# Altium PCB slave2020.PcbDoc (part 2 of 2)
Units mm, origin at the board's own origin, x right, y up, seen from the top; angles counter-clockwise.
Board outline 160 x 183 mm, 2 copper layers (Top, Bottom); 119 components, 63 nets, 329 pads, 13 vias.
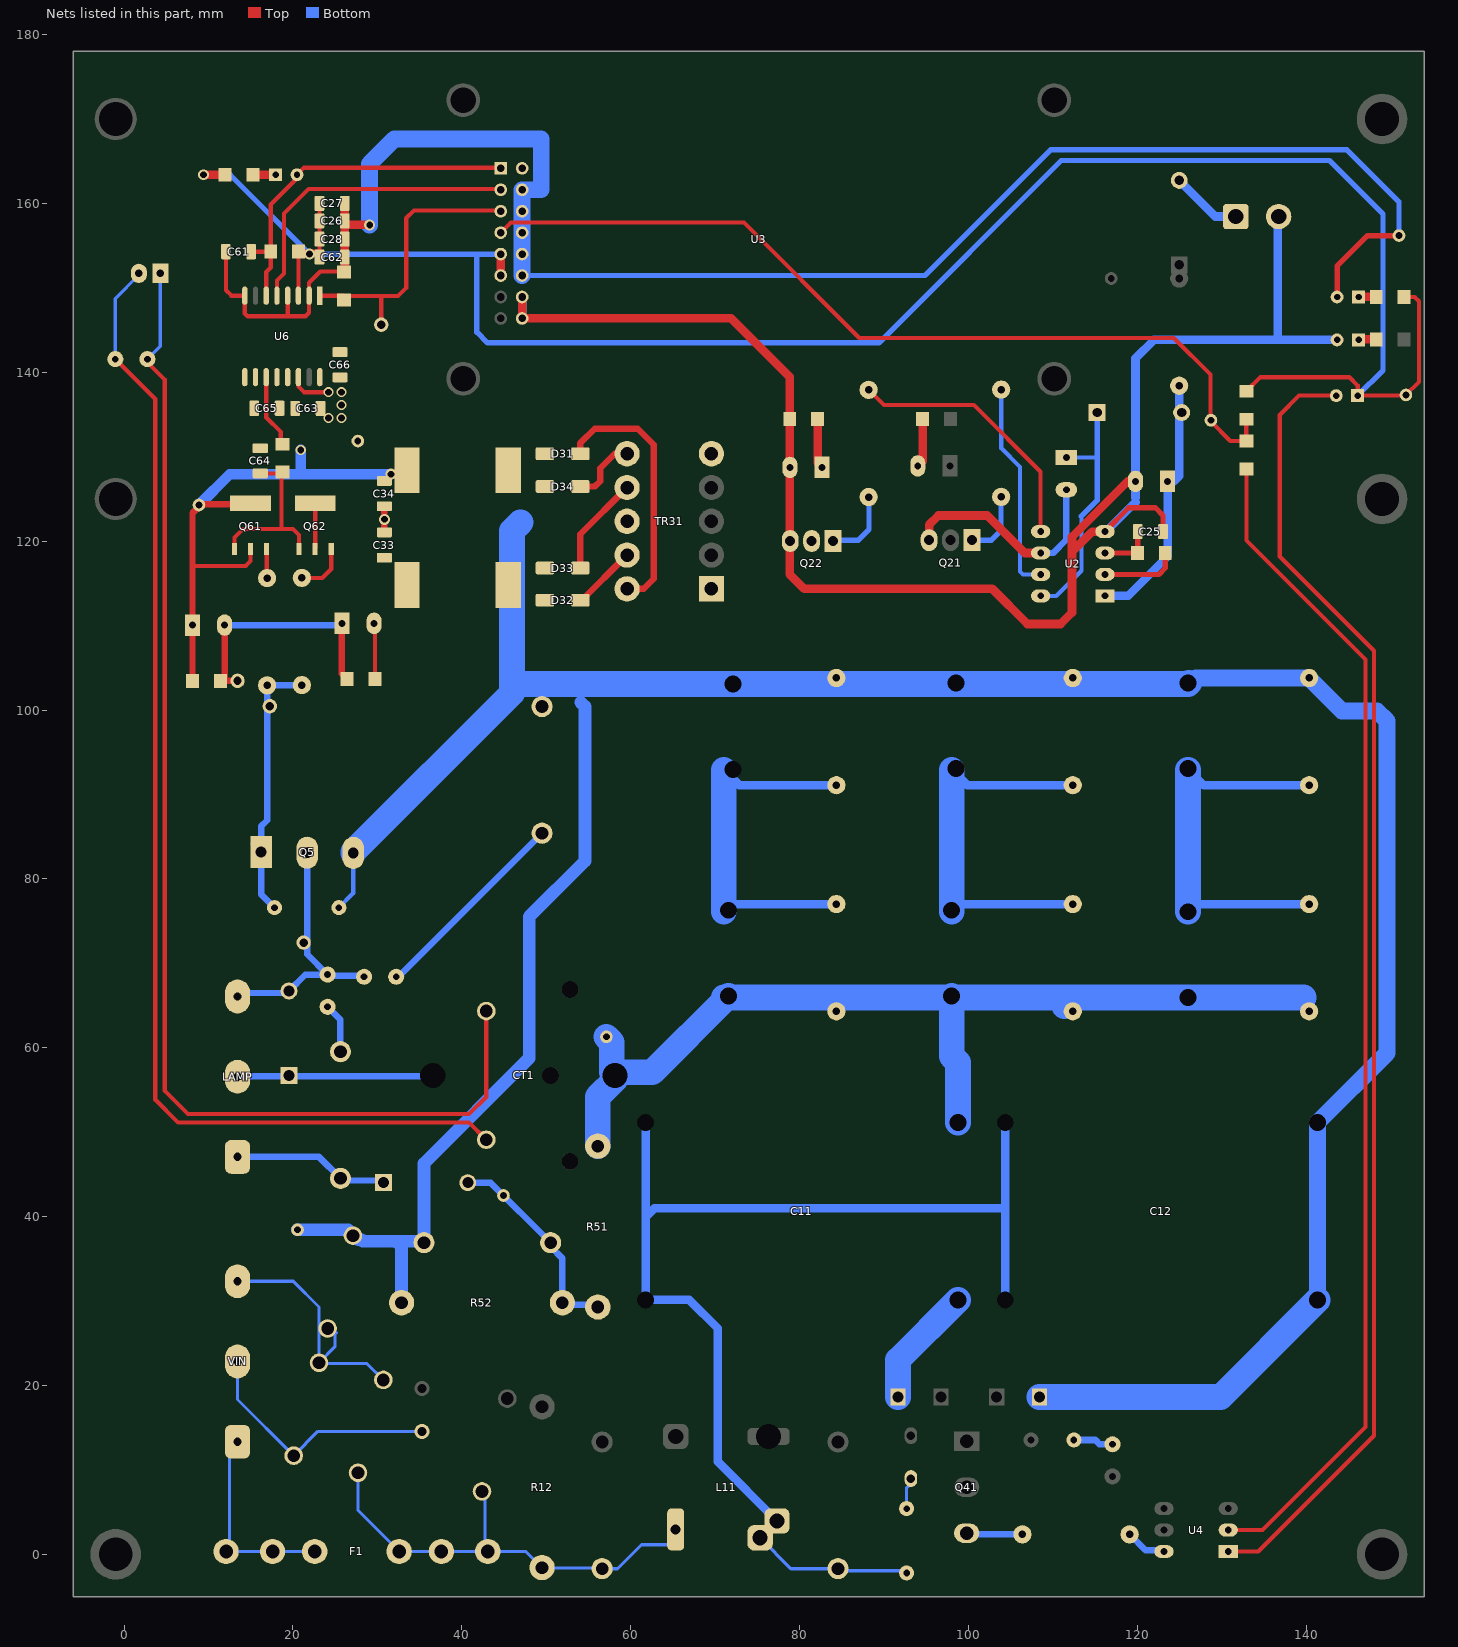
[diagram p2: the nets of this part, all layers, seen from the top]

## Via types
v1: diameter 1.2, hole 0.8, Top to Bottom, 7 vias
v2: diameter 1.3, hole 0.8, Top to Bottom, tented both sides, 6 vias

## Nets (pads, with @x,y where several pads share a name; then routed paths per layer and width w, separated by ;. In a path a pad name is that pad's centre, name@x,y a point inside that pad or via, vN(x,y) a via of type N, cw(c..) or ccw(c..) an arc to the next point about the centre after c; other vN are vias at no path point) (continued)
AC2: CX1.1 CY1.1 CY2.2 F1.2 L11.1 R12.1 | length 54.9
  Bottom w0.381: CY2.2@27.703,9.654 27.703,5.206 F1.2@32.575,0.334 F1.2@37.575,0.334 F1.2@43.075,0.334 ; CY1.1@42.387,7.446 42.731,7.102 42.731,0.678 F1.2@43.075,0.334 ; L11.1@65.327,2.954 65.327,1.93 64.541,1.144 61.275,1.144 58.432,-1.698 CX1.1@56.611,-1.698 56.547,-1.635 49.562,-1.635 R12.1@49.499,-1.571 47.594,0.334 F1.2@43.075,0.334
AC2_1: C11.1 C12.2 CX2.1 L11.2 R11.1 | length 139.7
  Bottom w0.381: L11.2@75.327,1.954 78.979,-1.698 CX2.1@84.551,-1.698 84.805,-1.952 92.425,-1.952 R11.1@92.679,-2.206
  Bottom w1.016: C11.1@61.775,51.134 61.775,39.958 ; L11.2@77.327,3.954 70.327,10.954 70.327,26.75 66.943,30.134 C11.1@61.775,30.134 61.775,39.958 ; C12.2@104.363,30.134 104.363,40.974 ; C12.2@104.363,51.134 104.363,40.974 ; 61.775,39.958 62.791,40.974 104.363,40.974
B: C64.2 Q61.1 Q62.1 R63.1 | length 20.6
  Top w0.5: Q61.1@13.075,119.089 13.075,120.425 14.091,121.441 20.01,121.441 20.721,120.73 Q62.1@20.721,119.089 ; C64.2@16.298,128.02 18.605,128.02 R63.1@18.633,128.048 ; R63.1@18.587,128.169 18.633,128.123 R63.1@18.633,128.048 ; 18.633,121.441 R63.1@18.633,128.048 ; R63.1@18.76,128.175 R63.1@18.633,128.048
BAX1: C24.2 Q21.3 Q22.2 TR31.1 U2.6 | length 27.1
  Top w1.016: Q21.3@95.341,120.122 95.341,121.941 96.442,123.041 102.234,123.041 106.677,118.598 U2.6@108.549,118.598
  Bottom w0.762: U2.6@108.549,118.598 110.041,118.598 111.597,120.154 C24.2@111.597,126.218
BAX2: C22.2 C23.1 R25.1 R26.2 TR31.5 | length 12
  Top w1: R26.2@82.133,134.446 82.133,129.269 C23.1@82.671,128.731 ; C22.2@94,128.909 94.579,129.488 R25.1@94.579,134.446
  Bottom w1: C23.1@82.451,128.948 C23.1@82.641,128.758
CT+: CT1.2 CT.1 R58.1 | length 148.5
  Top w0.5: R58.1@2.763,141.558 2.763,141.181 4.801,139.143 4.801,54.919 7.569,52.15 40.863,52.15 42.895,54.182 CT1.2@42.895,64.342
  Bottom w0.381: R58.1@2.763,141.558 4.287,143.082 CT.1@4.287,151.718
CT-: CT1.1 CT.2 R58.2 | length 142.2
  Top w0.5: R58.2@-1.047,141.558 3.683,136.828 3.683,53.852 6.401,51.134 40.863,51.134 CT1.1@42.895,49.102
  Bottom w0.381: R58.2@-1.047,141.558 -1.047,148.733 1.747,151.527 CT.2@1.747,151.718
EARTH: C56.1 CY2.1 CY3.1 VIN.3 | length 30.4
  Bottom w0.381: VIN.3@13.431,32.338 20.035,32.338 23.083,29.29 CY3.1@23.083,22.686 ; 25.115,26.242 24.967,26.094 24.967,24.57 CY3.1@23.083,22.686 ; CY2.1@30.703,20.654 28.759,22.598 23.171,22.598 CY3.1@23.083,22.686
EN: Q61.3 R64.2 | length 3.5
  Top w0.5: Q61.3@16.885,119.089 16.885,115.675 R64.2@16.936,115.625
EP: Q62.3 R65.2 | length 6.3
  Top w0.5: R65.2@21.051,115.65 23.464,115.65 24.531,116.717 Q62.3@24.531,119.089
FAULT: C61.2 LED1.2 R61.1 U3.1 U6.6 | length 42.2
  Top w0.5: C61.2@15.053,154.285 R61.1@17.363,154.285 ; U6.6@16.831,149.078 16.831,151.88 17.363,152.412 R61.1@17.363,154.285 ; U3.1@44.155,164.24 21.317,164.24 LED1.2@20.475,163.398 20.475,162.985 17.363,159.873 R61.1@17.363,154.285
GND: C26.1 C27.1 C28.1 C61.1 C62.1 GND.1 LED2.2 R62.1 U3.4 U3.6 U3.8 U3.10 U3.12 U6.2 U6.4 U6.8 | length 215.3
  Top w0.5: C61.1@12.053,154.285 12.053,152.196 12.053,149.722 12.697,149.078 U6.8@14.291,149.078 14.291,146.976 14.633,146.634 19.459,146.634 ; U6.4@19.371,149.078 19.371,146.722 19.459,146.634 ; R62.1@25.999,151.925 23.226,151.925 21.911,150.61 U6.2@21.911,149.078 21.911,147.054 21.491,146.634 19.459,146.634
  Top w0.635: LED2.2@143.665,148.92 143.665,152.566 147.289,156.19 v2(151,156.19)
  Top w1: R62.1@25.999,151.925 25.975,151.949 26.135,152.109 C62.1@26.135,153.65 C28.1@26.135,155.776 C26.1@26.135,157.936 C27.1@26.135,160
  Top w1.016: C26.1@26.135,157.936 26.612,157.46 v2(29.08,157.46)
  Bottom w0.635: U3.12@47.145,151.46 94.835,151.46 109.725,166.35 144.84,166.35 151,160.19 v2(151,156.19)
  Bottom w2: v2(29.08,157.46) 29.08,164.702 31.998,167.62 49.4,167.62 49.4,161.62 U3.4@47.145,161.62 U3.6@47.145,159.08 U3.8@47.145,156.54 U3.10@47.145,154 U3.12@47.145,151.46
GND24: C21.2 C23.2 C25.1 HD1.2 LED3.2 Q22.3 R26.1 U2.4 U3.14 U3.16 | length 195.3
  Top w0.635: U2.4@116.169,121.138 118.987,123.956 122.134,123.956 123.049,123.041 C25.1@123.049,121.138
  Top w1: U3.14@47.145,148.92 U3.16@47.145,146.38 71.91,146.38 78.831,139.459 R26.1@78.831,134.446 78.831,128.731 Q22.3@78.831,120.122
  Top w1.016: Q22.3@78.887,120.019 78.887,120.066 78.831,120.122 78.831,116.064 80.541,114.355 102.817,114.355 106.986,110.185 110.916,110.185 112.265,111.534 112.265,118.749 ; U2.4@116.169,121.138 114.654,121.138 112.265,118.749 ; C21.2@119.789,127.076 118.851,127.076 112.265,120.49 112.265,118.749
  Bottom w1: U3.16@47.145,146.38 U3.14@47.145,148.92 ; C23.2@78.831,128.758 C23.2@79.149,129.076
  Bottom w1.016: U2.4@116.169,121.138 116.303,121.138 119.789,124.624 ; 119.789,125.141 C21.2@119.789,127.076 119.789,141.665 121.964,143.84 136.805,143.84 ; HD1.2@136.655,158.24 136.655,143.99 136.805,143.84 ; LED3.2@143.665,143.84 136.805,143.84
HV_+600V: +600V.1 C11.2 CH1.1 CH2.1 CH3.1 CT1.4 D11.K R51.2 RH1.2 RH2.2 RH3.2 | length 131.5
  Bottom w3.048: R51.2@56.103,48.34 56.103,54.182 58.135,56.214 CT1.4@58.135,56.722 ; +600V.1@57.119,61.294 57.762,60.651 57.762,57.095 CT1.4@58.135,56.722 ; CH2.1@71.014,65.943 CH2.1@71.413,65.943 ; CH2.1@71.597,66.127 CH2.1@71.413,65.943 ; D11.K@91.663,18.622 91.663,23.022 C11.2@98.775,30.134 ; CH3.1@98.014,66.127 CH3.1@98.014,65.943 ; C11.2@98.775,51.134 98.775,58.25 98.014,59.011 CH3.1@98.014,65.943 ; 111.357,64.943 112.357,65.943 ; 139.714,65.943 CH1.1@126.014,65.943 112.357,65.943 ; CT1.4@58.135,56.722 58.508,57.095 62.565,57.095 CH2.1@71.413,65.943 ; CH2.1@71.413,65.943 CH3.1@98.014,65.943 ; CH3.1@98.014,65.943 112.357,65.943
HV_GND: C12.1 C31.2 C32.1 C33.2 C34.1 C51.1 C55.1 C56.2 C63.2 C66.2 CL1.2 CL2.2 CL3.2 D12.A HV_GND.1 Q5.3 R31.2 R32.1 R52.1 R54.1 RL1.1 RL2.1 RL3.1 TPE.1 TR31.8 U6.14 U6.16 | length 403.3
  Top w0.508: U6.14@20.641,139.426 20.641,138.307 21.3,137.648 v1(24.221,137.648)
  Top w0.762: C31.2@11.907,110.062 11.907,103.458 TPE.1@13.431,103.458 ; C32.1@25.801,110.265 25.801,104.299 R32.1@26.403,103.697 ; C33.2@30.825,121.035 v2(30.825,122.584) C34.1@30.825,124.132
  Bottom w0.381: CL1.2@126.014,103.211 126.306,103.503 CL1.2@126.422,103.503
  Bottom w0.5: R54.1@25.43,76.594 27.144,78.308 Q5.3@27.144,83.07
  Bottom w0.762: C31.2@11.907,110.062 25.598,110.062 C32.1@25.801,110.265
  Bottom w1.5: HV_GND.1@20.543,38.434 26.534,38.434 27.726,37.242 28.115,37.242 28.281,37.076 32.227,37.076 ; R52.1@32.862,29.798 32.862,36.441 32.227,37.076 ; 54.071,100.918 54.579,100.41 54.579,82.122 47.975,75.518 47.975,58.754 35.515,46.294 C51.1@35.515,36.91 35.349,37.076 32.227,37.076
  Bottom w2: CL1.2@126.014,103.211 126.13,103.211 126.338,103.211 126.922,103.795 RL1.1@140.357,103.795 144.25,99.902 148.403,99.902 149.575,98.73 149.575,59.346 C12.1@141.363,51.134 C12.1@141.363,30.134
  Bottom w3.048: Q5.3@27.144,83.07 27.144,83.197 45.943,101.996 45.943,103.458 ; 46.959,122.254 45.943,121.238 45.943,103.458 ; D12.A@108.427,18.622 129.851,18.622 C12.1@141.363,30.134 ; CL1.2@126.13,103.211 126.014,103.095 CL2.2@72.105,103.095 46.306,103.095 45.943,103.458
  other v1: 24.221,134.6 25.745,134.6 25.745,136.124 25.745,137.648
IGBT_C: D53.A LAMP.3 Q5.2 R53.1 R55.2 TPC.1 | length 31.6
  Bottom w0.762: LAMP.3@13.431,66.07 13.846,66.485 19.29,66.485 D53.A@19.527,66.722 21.465,68.66 R53.1@24.099,68.66 ; Q5.2@21.683,83.095 21.683,71.076 R53.1@24.099,68.66 ; R55.2@28.417,68.406 28.29,68.533 24.226,68.533 R53.1@24.099,68.66
IGBT_G: Q5.1 R54.2 R64.1 R65.1 TPG.1 | length 32.7
  Bottom w0.762: Q5.1@15.333,84.154 Q5.1@16.222,83.265 ; R54.2@17.81,76.594 16.222,78.182 Q5.1@16.222,83.197 Q5.1@16.222,83.265 ; R65.1@21.051,102.95 21.038,102.937 16.949,102.937 R64.1@16.936,102.925 16.936,86.959 16.222,86.245 Q5.1@16.222,83.265
L: CY3.2 NTC1.1 VIN.2 | length 30.3
  Bottom w0.381: VIN.2@13.431,22.838 13.431,18.338 CY3.2@20.083,11.686 22.955,14.558 NTC1.1@35.275,14.558
"Lamp ANODE": CT1.3 D53.K LAMP.2 | length 23.2
  Bottom w0.762: LAMP.2@13.431,56.57 13.507,56.646 19.527,56.646 36.469,56.646 CT1.3@36.545,56.722
Lamp_Trigger: C52.2 D52.K LAMP.1 | length 18.5
  Bottom w0.762: LAMP.1@13.431,47.07 23.083,47.07 C52.2@25.623,44.53 25.877,44.276 30.449,44.276 D52.K@30.703,44.022
N: F1.1 VIN.1 | length 24.1
  Bottom w0.381: VIN.1@13.431,13.338 12.473,12.38 12.473,0.732 F1.1@12.075,0.334 F1.1@17.575,0.334 F1.1@22.575,0.334
NetC21_1: C21.1 D22.A R21.2 U2.1 | length 30.9
  Bottom w1: U2.1@116.169,113.518 118.916,113.518 123.599,118.201 C21.1@123.599,126.355 ; C21.1@123.599,127.076 C21.1@123.599,126.355 ; R21.2@124.965,138.41 124.965,127.721 C21.1@123.599,126.355
NetC24_1: C24.1 D22.K U2.8 | length 29.2
  Bottom w0.5: U2.8@108.549,113.518 110.41,113.518 113.38,116.488 113.38,122.965 ; C24.1@111.602,129.899 115.25,129.899
  Bottom w0.635: 113.38,122.965 115.25,124.836 115.25,129.899 D22.K@115.25,135.233
NetC25_2: C25.2 R22.1 U2.3 | length 6.4
  Top w0.635: U2.3@116.169,118.598 R22.1@120.009,118.598 120.049,118.638 C25.2@120.049,121.138
NetC41_2: C41.2 R44.1 | length 4.8
  Bottom w0.8: C41.2@112.491,13.542 115.031,13.542 115.539,13.034 R44.1@117.063,13.034
NetC52_1: C52.1 R53.2 | length 6
  Bottom w0.762: R53.2@24.099,64.85 25.623,63.326 C52.1@25.623,59.53
NetC55_2: C55.2 R55.1 | length 24.3
  Bottom w0.762: R55.1@32.227,68.406 32.495,68.406 C55.2@49.499,85.41
NetCH1_2: CH1.2 CL1.1 RH1.1 RL1.2 | length 46.7
  Bottom w1.016: CH1.2@126.014,76.103 126.926,77.015 RH1.1@140.357,77.015 ; CL1.1@126.014,92.935 127.854,91.095 RL1.2@140.357,91.095
  Bottom w3.048: CH1.2@126.014,76.103 CL1.1@126.014,92.935
NetCH2_2: CH2.2 CL2.1 RH2.1 RL2.2 | length 44.7
  Bottom w1.016: CH2.2@71.014,76.103 71.926,77.015 RH2.1@84.357,77.015 ; CL2.1@71.014,92.935 72.854,91.095 RL2.2@84.357,91.095
  Bottom w3.048: CH2.2@71.014,76.103 CL2.1@71.014,92.935
NetCH3_2: CH3.2 CL3.1 RH3.1 RL3.2 | length 46.7
  Bottom w1.016: CH3.2@98.014,76.103 98.926,77.015 RH3.1@112.357,77.015 ; CL3.1@98.014,92.935 99.854,91.095 RL3.2@112.357,91.095
  Bottom w3.048: CH3.2@98.014,76.103 CL3.1@98.014,92.935
NetD21_A: D21.A HD1.1 | length 8.5
  Bottom w1.016: D21.A@124.965,162.73 129.246,158.449 HD1.1@131.668,158.449
NetD31_1: D31.1 TR31.10 | length 31
  Top w0.762: D31.1@54.04,130.355 54.04,131.62 55.75,133.33 60.83,133.33 62.735,131.425 62.735,115.55 61.54,114.355 TR31.10@59.565,114.355
NetD31_2: D31.2 D34.2 L31.1
NetD32_1: D32.1 D33.1 L32.1
NetD32_2: D32.2 TR31.9 | length 7.9
  Top w0.762: D32.2@54.04,112.706 54.04,112.83 TR31.9@59.565,118.355
NetD33_2: D33.2 TR31.7 | length 11.3
  Top w0.762: D33.2@54.04,117.363 54.04,120.83 TR31.7@59.565,126.355
NetD34_1: D34.1 TR31.6 | length 8
  Top w0.762: D34.1@54.04,126.472 55.75,126.472 56.385,127.107 56.385,128.631 58.109,130.355 TR31.6@59.565,130.355
NetLED1_1: LED1.1 R27.2 | length 2.7
  Top w1: R27.2@15.268,163.398 LED1.1@17.935,163.398
NetLED2_1: LED2.1 R28.2 | length 2.1
  Top w1: LED2.1@146.205,148.92 146.21,148.924 R28.2@148.305,148.924
NetLED3_1: LED3.1 R29.2 | length 2
  Top w1: LED3.1@146.26,143.895 R29.2@148.305,143.895
NetLED41_2: LED41.2 U4.1 | length 156.1
  Top w0.5: U4.1@130.779,0.334 134.335,0.334 148.051,14.05 148.051,107.014 136.875,118.19 136.875,134.954 139.157,137.236 LED41.2@143.564,137.236
NetNE1_1: NE1.1 R11.2 | length 3.8
  Bottom w0.381: R11.2@92.679,5.414 92.679,7.909 93.187,8.417 NE1.1@93.187,8.97
NetQ21_1: Q21.1 R23.1 | length 8
  Bottom w0.635: Q21.1@100.421,120.122 102.707,120.122 103.85,121.265 R23.1@103.85,125.329
NetQ22_1: Q22.1 R24.1 | length 8.7
  Bottom w0.635: Q22.1@83.911,120.122 86.959,120.122 88.229,121.392 R24.1@88.229,125.202
NetQ41_3: Q41.3 R43.1 | length 6.7
  Bottom w0.762: Q41.3@99.791,2.504 99.929,2.366 R43.1@106.395,2.366
NetR22_2: R22.2 U2.2 | length 9.2
  Top w0.635: U2.2@116.169,116.058 122.554,116.058 123.311,116.815 R22.2@123.311,118.598
NetR23_2: R23.2 U2.7 | length 25
  Bottom w0.5: R23.2@103.88,137.951 103.88,131.017 106.116,128.782 106.116,116.412 106.47,116.058 U2.7@108.549,116.058
NetR24_2: R24.2 U2.5 | length 31.5
  Top w0.5: R24.2@88.183,137.926 89.985,136.124 100.643,136.124 108.549,128.218 U2.5@108.549,121.138
NetR41_2: R41.2 U4.2 | length 140.6
  Top w0.5: U4.2@130.779,2.874 134.843,2.874 147.035,15.066 147.035,105.998 132.933,120.1 R41.2@132.933,128.552
NetR43_2: R43.2 U4.6 | length 4.9
  Bottom w0.762: R43.2@119.095,2.366 120.981,0.48 123.013,0.48 U4.6@123.159,0.334
NetR63_2: R63.2 U6.11 | length 8
  Top w0.5: U6.11@16.831,139.426 16.831,134.652 18.562,132.922 R63.2@18.562,132.096
PWM1: R62.2 TP1.1 U3.5 U6.1 | length 33.4
  Top w0.5: U6.1@23.181,149.078 25.946,149.078 25.999,149.025 30.455,149.025 ; TP1.1@30.455,145.64 30.455,149.025 ; U3.5@44.155,159.16 34.325,159.16 33.405,158.24 33.405,149.99 32.44,149.025 30.455,149.025
RESET: U3.3 U6.5 | length 36.5
  Top w0.5: U6.5@18.101,149.078 18.101,150.864 18.951,151.714 18.951,158.794 21.857,161.7 U3.3@44.155,161.7
TRIAC: R41.1 R42.1 TRIAC.1 U3.7 | length 105.4
  Top w0.5: U3.7@44.605,156.54 45.805,157.74 73.405,157.74 87.077,144.068 124.327,144.068 128.655,139.74 128.655,134.212 131.013,131.854 R41.1@132.933,131.854 ; R41.1@132.913,131.875 R42.1@132.913,134.446
V_CAP_TRIG: +300V.1 C51.2 D52.A R51.1 R52.2 | length 25.2
  Bottom w0.762: D52.A@40.703,44.357 D52.A@40.703,44.022 43.403,44.022 C51.2@50.515,36.91 50.515,36.44 51.912,35.043 R52.2@51.912,29.798 52.166,29.544 55.849,29.544 R51.1@56.103,29.29
VCC: +5V.1 C26.2 C27.2 C28.2 C62.2 LED41.1 R27.1 R28.1 R42.2 R61.2 U3.9 U3.11 U6.3 | length 247
  Top w0.5: U6.3@20.641,149.078 20.665,149.102 R61.2@20.665,154.285 C62.2@22.975,154.285 ; C62.2@23.135,153.65 C28.2@23.135,155.776 C26.2@23.135,157.936 C27.2@23.135,160 ; R42.2@132.913,137.748 134.59,139.426 145.099,139.426 146.104,138.421 LED41.1@146.104,137.236 151.73,137.236 153.36,138.866 153.36,148.416 152.852,148.924 R28.1@151.607,148.924
  Top w1: v2(9.395,163.398) R27.1@11.966,163.398 ; U3.11@44.605,151.46 U3.9@44.605,154
  Bottom w0.635: v2(9.395,163.398) 12.552,163.398 v2(21.95,154) 41.78,154 ; U3.11@44.605,151.46 U3.9@44.605,154 41.78,154 ; LED41.1@146.104,137.236 149.095,140.227 149.095,158.73 142.745,165.08 110.995,165.08 89.405,143.49 43.05,143.49 41.78,144.76 41.78,154
VCC1: +15V.1 C31.1 C34.2 C63.1 C65.2 L31.2 Q61.2 R31.1 U6.12 U6.13 | length 63
  Top w0.5: 8.097,117.072 14.396,117.072 14.98,117.657 Q61.2@14.98,119.089
  Top w0.762: R31.1@8.097,103.458 C31.1@8.097,110.062 8.097,117.072 8.097,123.324 8.859,124.086 +15V.1@8.859,124.286 8.961,124.388 14.879,124.388 Q61.2@14.98,124.489
  Bottom w1.27: +15V.1@8.859,124.286 12.5,127.927 20.919,127.927 ; v1(20.919,130.79) 20.919,127.927 ; v2(31.62,127.927) 20.919,127.927
VEE1: -5V.1 C32.2 C33.1 C64.1 C65.1 C66.1 L32.2 Q62.2 R32.2 U6.9 U6.10 | length 11.1
  Top w0.5: Q62.2@22.626,119.089 22.626,123.582 ; C32.2@29.611,110.265 29.705,110.171 R32.2@29.705,103.697
ZCO: U3.2
pads on no net: C25.0 C26.0 C27.0 C28.0 C33.0 C34.0 C61.0 C62.0 C63.0 C64.0 C65.0 C66.0 CT1.H D31.0 D32.0 D33.0 D34.0 Q21.HS Q22.HS R12.0 R51.0 R52.0 TR31.2 TR31.3 TR31.4 U3.0 U4.3 U4.5 U6.7 U6.15

## Polygon pours and split planes (outlines as drawn)
no net on Bottom "NONET_L02_P000" (solid, remove dead copper, pour order 0): -117.746,134.776

## Keep-outs
Keep-Out Layer:
  lines w0.2: 18.796,79.103 ccw(c19.177,79.103) 19.177,78.722 19.304,78.722 ccw(c19.304,79.103) 19.685,79.103 19.685,94.089 ccw(c19.304,94.089) 19.304,94.47 ccw(c19.304,93.962) 18.796,93.962 18.796,79.103 ; 23.876,78.722 ccw(c24.384,78.722) 24.384,78.214 ccw(c24.384,78.722) 24.892,78.722 24.892,93.962 ccw(c24.384,93.962) 24.384,94.47 ccw(c24.384,93.962) 23.876,93.962 23.876,78.722
  lines w0.254: -6,-5 154,-5 154,178 -6,178 -6,-5

## Other copper
Top:
  region net VEE1: 20.157,125.202 20.157,123.932 28.031,123.932 28.031,125.202
  region net NetD32_1: 46.891,117.489 46.891,112.126 50.701,112.126 50.701,117.489
  region net NetD31_2: 46.011,131.02 46.011,125.831 50.67,125.831 50.67,131.02
  region net HV_GND: 26.507,139.426 26.507,133.838 cw(c25.999,133.838) 25.999,133.33 23.713,133.33 cw(c23.713,133.838) 23.205,133.838 23.205,139.172 cw(c23.713,139.172) 23.713,139.68 26.253,139.68 cw(c26.253,139.426)
  region net VEE1: 27.269,126.472 27.269,126.218 cw(c26.253,126.218) 26.253,125.202 26.253,123.678 28.031,123.678 28.031,126.472
  region net VEE1: 31.075,108.941 cw(c29.555,108.941) 29.555,107.422 cw(c29.555,108.692) 28.285,108.692 28.285,111.232 ccw(c27.015,111.232) 27.015,112.502 cw(c27.015,113.772) 25.745,113.772 25.745,122.916 ccw(c24.983,122.916) 24.983,123.678 20.411,123.678 cw(c20.411,123.932) 20.157,123.932 20.157,124.948 cw(c20.411,124.948) 20.411,125.202 27.523,125.202 cw(c27.523,124.694) 28.031,124.694 28.031,119.352 ccw(c29.555,119.352) 29.555,117.828 cw(c29.555,116.309) 31.075,116.309
  region net VCC1: 19.649,140.188 ccw(c19.395,140.188) 19.395,140.442 18.125,140.442 ccw(c18.125,140.188) 17.871,140.188 17.871,135.108 ccw(c18.125,135.108) 18.125,134.854 19.649,134.854 cw(c19.649,134.6) 19.903,134.6 19.903,128.504 ccw(c20.157,128.504) 20.157,128.25 21.681,128.25 ccw(c21.681,128.504) 21.935,128.504 21.935,131.552 ccw(c21.681,131.552) 21.681,131.806 20.919,131.806 cw(c20.919,132.06) 20.665,132.06 20.665,136.378 ccw(c20.411,136.378) 20.411,136.632 19.903,136.632 cw(c19.903,136.886) 19.649,136.886 19.649,140.188 ccw(c19.395,140.188) 19.395,140.442
  region net VEE1: 32.349,117.836 29.555,117.836 cw(c29.555,119.36) 28.031,119.36 28.031,142.474 ccw(c27.523,142.474) 27.523,142.982 14.569,142.982 ccw(c14.569,142.474) 14.061,142.474 14.061,130.79 ccw(c14.315,130.79) 14.315,130.536 16.601,130.536 ccw(c16.601,130.79) 16.855,130.79 16.855,131.298 ccw(c16.601,131.298) 16.601,131.552 16.093,131.552 cw(c16.093,131.806) 15.839,131.806 15.839,141.458 cw(c16.347,141.458) 16.347,141.966 27.015,141.966 cw(c27.015,141.712) 27.269,141.712 27.269,114.28 ccw(c28.793,114.28) 28.793,112.756 32.349,112.756
  region net VEE1: 36.667,117.836 30.825,117.836 ccw(c30.825,115.296) 28.285,115.296 28.285,109.454 ccw(c29.555,109.454) 29.555,108.184 30.063,108.184 ccw(c30.063,109.2) 31.079,109.2 31.079,111.74 cw(c32.095,111.74) 32.095,112.756 36.667,112.756
Bottom:
  region net BAX2: 89.372,130.028 82.133,130.028 ccw(c82.133,129.647) 81.752,129.647 81.752,128.053 cw(c80.165,128.053) 80.165,126.466 ccw(c80.165,126.339) 80.038,126.339 80.038,124.688 83.488,124.688 ccw(c83.488,127.228) 85.284,125.432 86.596,126.744 cw(c88.393,124.948) 88.393,127.488 89.372,127.488
  region net BAX2: 67.909,130.282 ccw(c69.433,130.282) 69.433,128.758 70.413,128.758 cw(c70.413,126.218) 72.209,128.014 74.785,125.438 ccw(c76.582,127.234) 76.582,124.694 83.494,124.694 ccw(c83.494,127.234) 85.29,125.438 86.596,126.744 cw(c88.393,124.948) 88.393,127.488 94.071,127.488 ccw(c94.071,128.377) 94.96,128.377 94.96,129.139 ccw(c94.071,129.139) 94.071,130.028 88.52,130.028 ccw(c88.52,127.488) 86.723,129.284 84.655,127.216 cw(c82.859,129.012) 82.859,126.472 77.471,126.472 cw(c77.471,129.012) 75.674,127.216 71.828,131.062 ccw(c70.032,129.266) 70.032,131.806 69.306,131.806 ccw(c69.306,130.409) 67.909,130.409
  region net BAX1: 67.909,115.804 79.974,115.804 ccw(c79.974,116.312) 80.482,116.312 80.482,120.503 cw(c81.371,120.503) 81.371,121.392 cw(c81.371,120.376) 82.387,120.376 82.387,116.312 ccw(c82.895,116.312) 82.895,115.804 92.674,115.804 ccw(c92.674,117.455) 94.325,117.455 94.325,120.376 cw(c95.341,120.376) 95.341,121.392 cw(c95.341,120.376) 96.357,120.376 96.357,114.153 cw(c95.087,114.153) 95.087,112.883 67.909,112.883
  region net HV_GND: 30.847,119.365 35.148,119.365 ccw(c35.148,120.122) 35.905,120.122 cw(c36.413,120.122) 36.413,120.63 36.667,120.63 36.667,123.932 36.413,123.932 cw(c36.413,124.44) 35.905,124.44 35.905,137.14 ccw(c33.365,137.14) 33.365,139.68 23.459,139.68 ccw(c23.459,139.426) 23.205,139.426 23.205,133.584 ccw(c23.459,133.584) 23.459,133.33 32.603,133.33 cw(c32.603,132.06) 33.873,132.06 33.873,126.367 cw(c32.629,126.367) 32.629,125.123 30.887,125.123 cw(c30.887,125.206) 30.804,125.206
  region net HV_GND: 59.527,123.932 cw(c59.527,122.408) 61.051,122.408 61.051,122.154 cw(c59.527,122.154) 59.527,120.63 35.18,120.63 ccw(c35.18,118.09) 33.383,119.886 33.365,119.868 cw(c32.139,121.094) 32.139,119.36 29.555,119.36 ccw(c29.555,117.302) 27.497,117.302 27.497,110.19 cw(c25.745,110.19) 25.745,108.438 cw(c25.745,109.962) 24.221,109.962 24.221,119.578 cw(c26.761,119.578) 24.965,121.374 28.285,124.694 cw(c29.512,123.467) 29.512,125.202 32.095,125.202 cw(c32.095,123.362) 33.396,124.663 33.619,124.44 ccw(c34.846,125.666) 34.846,123.932
  region net AC1_2: 98.775,11.51 104.871,11.51 104.871,20.146 103.855,21.162 96.235,21.162 95.219,20.146 95.219,15.066
  region net IGBT_C: 11.399,72.47 20.035,72.47 20.035,85.678 23.591,85.678 23.591,70.946 24.099,70.438 29.179,70.438 29.179,66.882 28.671,66.374 21.559,66.374 18.511,63.326 11.399,63.326
  region net HV_GND: 18.511,39.958 37.815,39.958 37.815,27.766 37.307,27.258 28.671,27.258 18.511,37.418
  region net V_CAP_TRIG: 39.847,45.546 43.911,45.546 58.135,31.322 58.135,27.258 52.039,27.258 39.847,39.45
  region net Lamp_Trigger: 31.719,42.498 11.399,42.498 11.399,50.626 31.719,50.626
  region net "Lamp ANODE": 39.339,59.262 39.339,53.674 11.399,53.674 11.399,59.262 21.559,59.262 23.591,57.23 28.163,57.23 30.195,59.262
  region net HV_+600V: 142.463,68.914 58.135,68.914 56.103,66.882 56.103,53.674 63.723,53.674 71.851,61.802 142.463,61.802
  region net HV_+600V: 123.667,65.866 123.667,30.306 120.619,27.258 97.251,27.258 94.711,24.718 125.699,24.718 129.763,28.782 129.763,65.866
  region net HV_GND: 106.903,16.082 140.939,16.082 147.035,22.178 147.035,52.658 151.607,57.23 151.607,101.934 147.035,106.506 44.927,106.506 25.623,87.202 25.623,75.518 26.131,75.518 48.991,98.378 142.463,98.378 146.019,94.822 146.019,61.294 136.875,52.15 136.875,28.274 131.287,22.686 106.903,22.686
  region net AC2_1: 106.395,52.658 106.395,28.782 101.823,28.782 101.823,38.434 68.295,38.434 68.295,37.418 68.295,31.322 59.659,31.322 59.659,48.594 63.723,52.658 66.771,52.658 67.279,52.15 67.279,43.514 68.803,41.99 101.823,41.99 101.823,52.658
  region net AC1_1: 75.407,11.51 94.711,11.51 99.791,6.43 101.823,6.43 102.331,6.938 102.331,8.97 101.315,9.986 98.267,9.986 93.187,15.066 73.375,15.066 73.375,13.034
  region net AC2_1: 94.203,-2.206 93.187,-3.222 73.883,-3.222 72.867,-2.206 72.867,6.43 69.311,9.986 69.311,25.734 61.183,25.734 59.659,27.258 59.659,32.338 68.295,32.338 71.343,29.29 71.343,12.018 76.931,6.43 82.519,6.43 89.123,-0.174 94.203,-0.174
  region net AC1: 34.259,18.622 43.403,18.622 50.515,11.51 67.279,11.51 67.279,16.082 53.563,16.082 45.435,24.21 40.355,24.21 37.307,21.162 34.259,21.162
  region net EARTH: 31.719,19.13 21.559,19.13 20.543,20.146 20.543,28.274 20.035,28.782 11.399,28.782 11.399,34.878 18.511,34.878 31.719,21.67
  region net L: 11.399,25.226 17.495,25.226 18.003,24.718 18.003,16.082 18.511,15.574 36.799,15.574 37.307,15.066 37.307,12.526 23.591,12.526 20.543,9.478 19.019,9.478 18.511,9.986 18.511,13.034 11.399,20.146
  region net N: 7.843,15.066 14.955,15.066 15.971,14.05 15.971,4.906 23.083,4.906 24.607,3.382 24.607,-4.238 7.843,-4.238
  region net AC2: 26.639,11.002 29.179,11.002 29.179,5.922 32.735,2.366 39.339,2.366 40.355,3.382 40.355,8.97 43.911,8.97 43.911,2.366 44.419,1.858 62.199,1.858 63.215,2.874 63.215,5.922 63.723,6.43 67.279,6.43 68.295,5.414 68.295,-4.238 31.211,-4.238 26.639,0.334

## Silkscreen, mask and mechanical layers (free items; w line width, h text height)
Top Overlay:
  circle w0.254: c74.155,169.24 r3.895
  region: 106.835,172.415 104.93,174.32 104.93,173.685 101.12,173.685 101.12,171.145 104.93,171.145 104.93,170.51
  region: 107.089,139.268 105.184,141.173 105.184,140.538 101.374,140.538 101.374,137.998 105.184,137.998 105.184,137.363
  region: 42.7,172.034 44.605,170.129 44.605,170.764 48.415,170.764 48.415,173.304 44.605,173.304 44.605,173.939
  region: 43.081,139.268 44.986,137.363 44.986,137.998 48.796,137.998 48.796,140.538 44.986,140.538 44.986,141.173
  lines w0.2: 34.155,135.458 34.155,135.536
  text "24V" at 134.655,167.44 h2 r180
  text "GND" at 139.455,167.44 h2 r180
  text "FAUT" at 35.969,163.652 h2
  text "ZCO" at 49.685,163.652 h2
  text "GND" at 49.685,161.112 h2
  text "RESET" at 35.969,161.057 h2
  text "GND" at 49.685,158.572 h2
  text "PWM" at 35.969,158.505 h2
  text "GND" at 49.685,156.032 h2
  text "TRIAC" at 35.969,155.911 h2
  text "GND" at 49.685,153.492 h2
  text "VCC" at 35.969,153.337 h2
  text "GND" at 49.685,150.952 h2
  text "VCC" at 35.969,150.764 h2
  text "GND" at 49.685,148.412 h2
  text "24VDC" at 35.969,148.191 h2
  text "+      -" at 7.843,147.654 h3 r180
  text "5VDC" at 134.843,147.146 h2
  text "GND" at 49.685,145.872 h2
  text "24VDC" at 35.969,145.618 h2
  text "24VDC" at 134.843,141.558 h2
  text "TRIAC" at 135.351,135.462 h2
  text "K" at -3.402,71.179 h3 r270
  text "A" at -3.402,61.781 h3 r270
  text "TRIG" at -3.402,52.129 h3 r270
  text "PE" at -3.117,37.514 h3 r270
  text "AC" at -3.117,28.116 h3 r270
  text "AC" at -3.117,18.464 h3 r270

## Text inside footprints (layer, text, board x,y; h text height)
Q41: Top Overlay "G" at 104.642,1.364 h2 r90; Top Overlay "A2" at 104.642,6.19 h2 r90; Top Overlay "A1" at 104.642,12.54 h2 r90
U3: Top Overlay "MCU CONTROL" at 55.019,175.082 h5 r270; Top Overlay "2" at 46.637,166.7 h2 r270; Top Overlay "1" at 44.097,166.7 h2 r270; Top Overlay "15" at 44.097,144.856 h2 r270; Top Overlay "16" at 46.637,144.856 h2 r270